# Altium PCB Arduino RGB lamp beads.PcbDoc
Units mm, origin at the board's own origin, x right, y up, seen from the top; angles counter-clockwise.
Board outline 68.58 x 53.34 mm, 2 copper layers (Top Layer, Bottom Layer); 44 components, 39 nets, 165 pads, 66 vias.
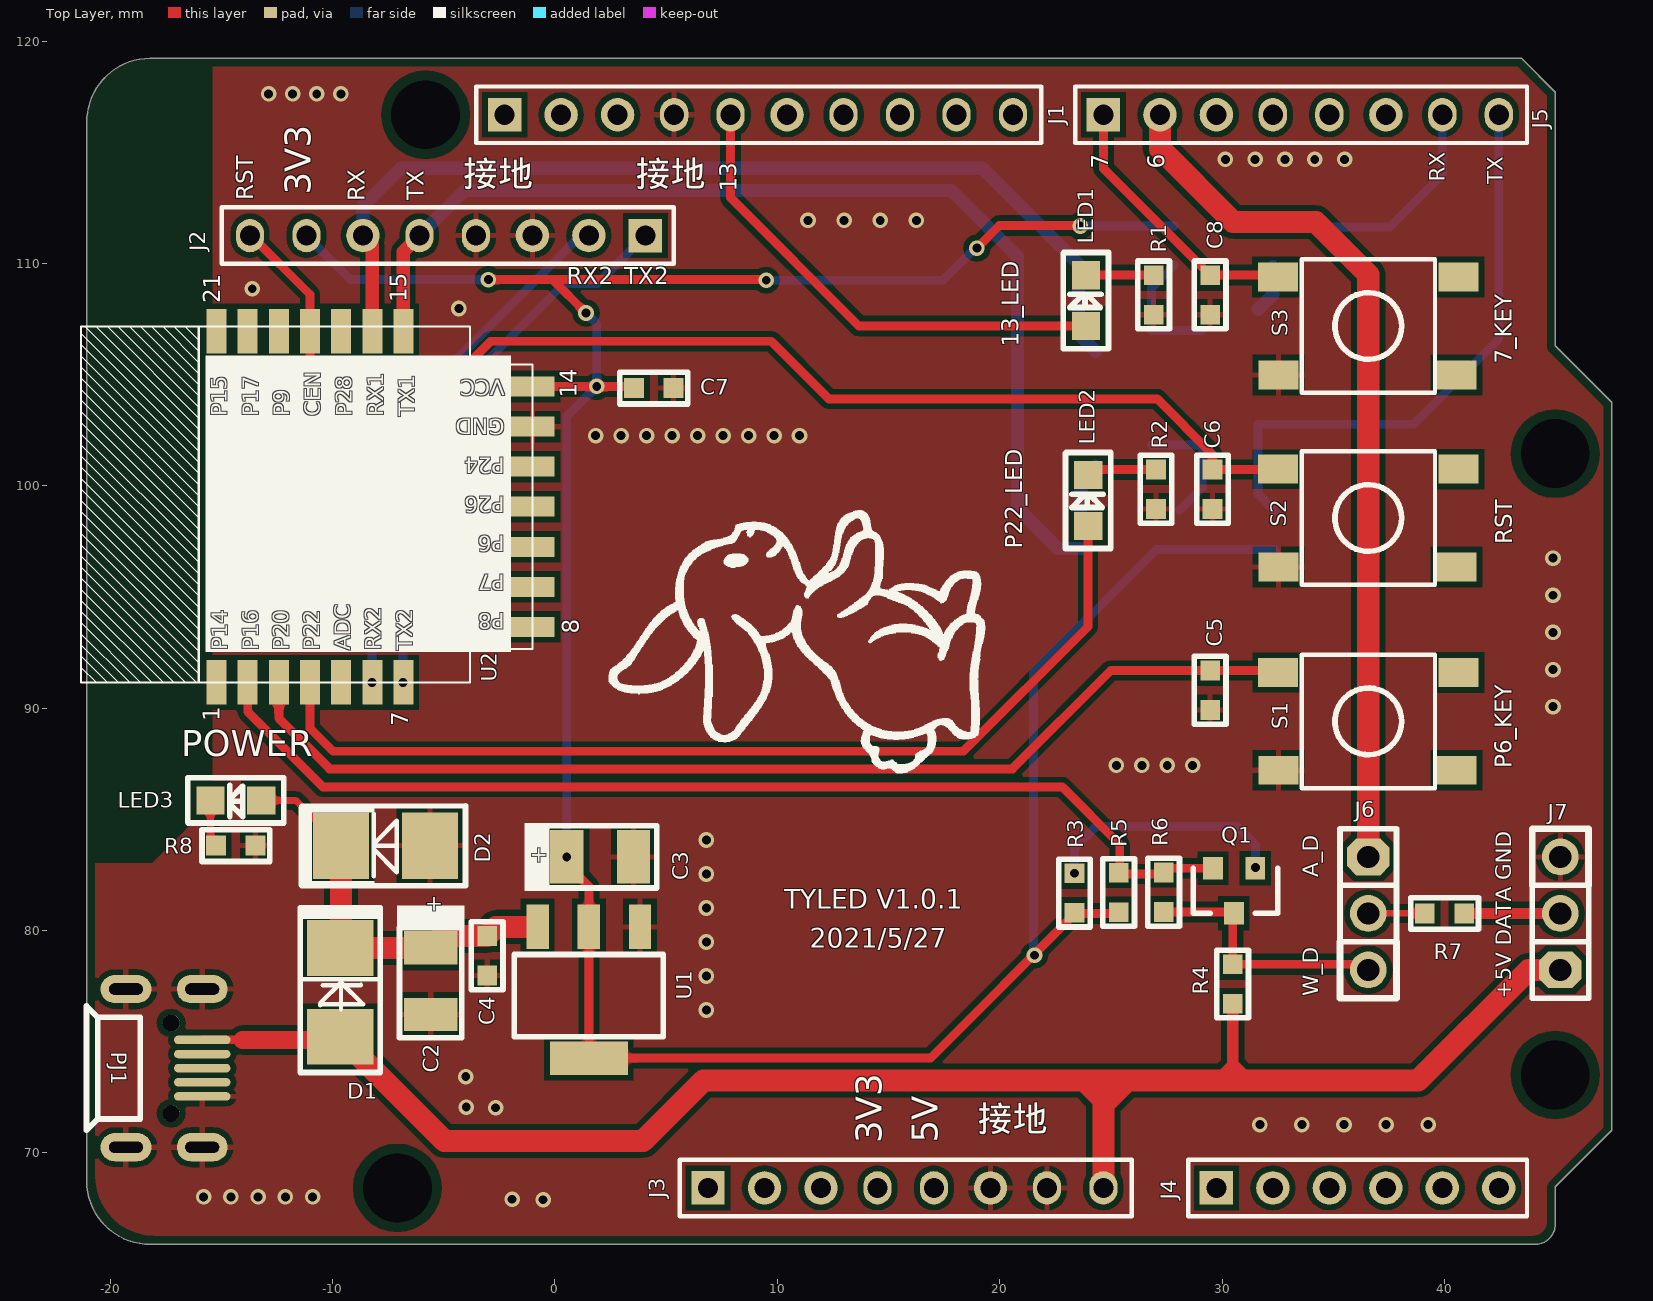
[diagram p0: Top Layer view]
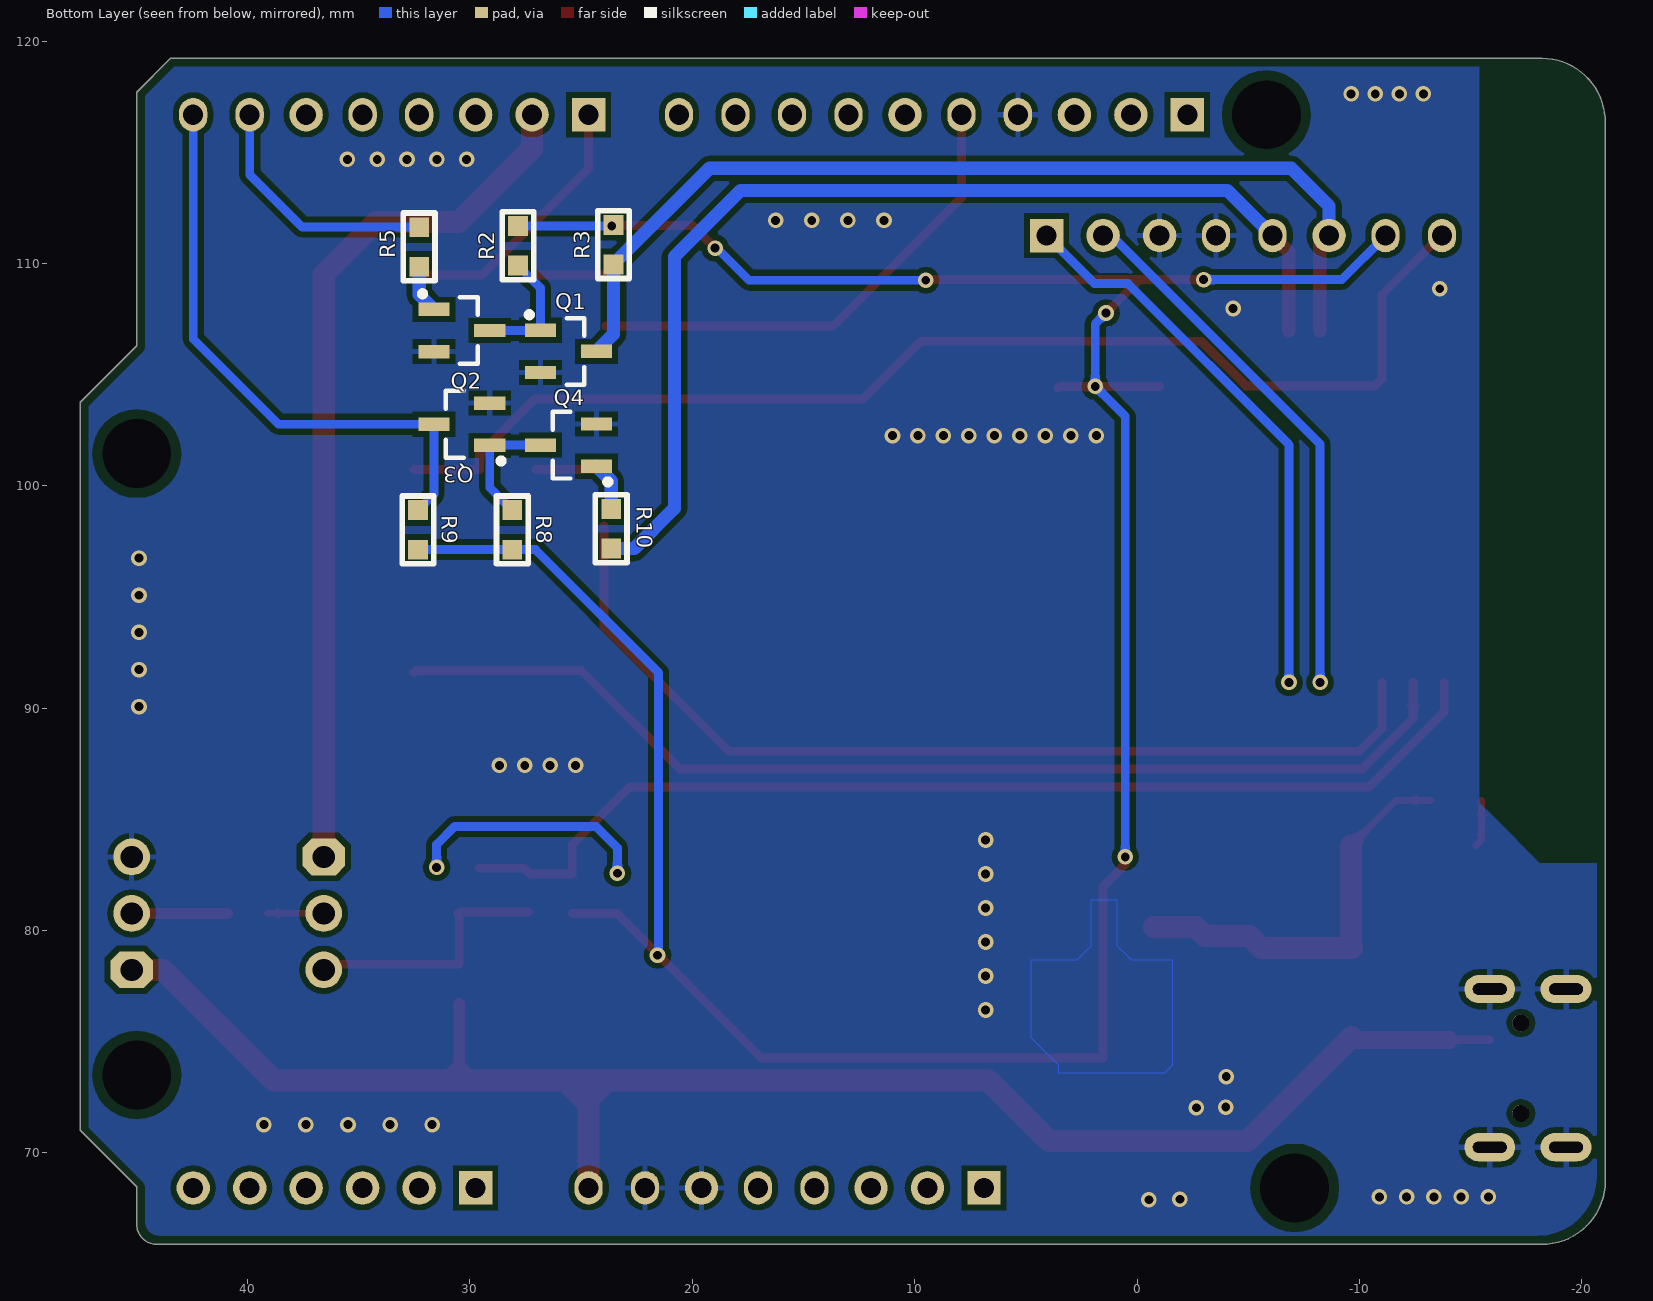
[diagram p1: Bottom Layer view, seen from below]

## Layer stack, top to bottom
Top Solder: solder mask 0.0102, Solder Resist, Dk 3.5
Top Layer: signal copper 0.0356
Dielectric1: dielectric 0.32, FR-4, Dk 4.8
Bottom Layer: signal copper 0.0356
Bottom Solder: solder mask 0.0102, Solder Resist, Dk 3.5

## Board outline
-21.057,68.732 ccw(c-18.199,68.745) -18.186,65.888 44.069,65.888 ccw(c44.082,66.789) 44.983,66.777 44.983,68.478 47.523,71.018 47.523,103.759 44.983,106.299 44.983,117.704 43.459,119.228 -18.212,119.228 ccw(c-18.186,116.357) -21.057,116.332

## Design rules (kind name [scope] priority, off if disabled: settings)
Clearance Clearance_1 [All] p1: gap=0.254 ignorepadtopadclearanceinfootprint=FALSE except(0: Arc-Hole Track-Hole SMDPad-Hole THPad-Hole Via-Hole Fill-Hole Poly-Hole Region-Hole Text-Hole)
Clearance [InNet('GND') vs InNetClass('All Nets')] p2: gap=0.254 ignorepadtopadclearanceinfootprint=FALSE except(0: Arc-Hole Track-Hole SMDPad-Hole THPad-Hole Via-Hole Fill-Hole Poly-Hole Region-Hole Text-Hole)
HoleSize [All] p1: absolutevalues=TRUE maxlimit=3 minlimit=0.025 maxpercent=80.000 minpercent=20.000
HoleToHoleClearance [All] p1: gap=0 allowstackedmicrovias=TRUE
MinimumSolderMaskSliver [All] p1: minsoldermaskwidth=0
PolygonConnect PolygonConnect_5 [InNet('+3.3V') vs IsPad] p1: connectstyle=Direct reliefconductorwidth=0.254 reliefentries=4 polygonreliefangle="90 Angle" airgapwidth=0.254
PolygonConnect PolygonConnect_4 [InNet('+3.3V') vs IsVia] p2: connectstyle=Direct reliefconductorwidth=0.254 reliefentries=4 polygonreliefangle="90 Angle" airgapwidth=0.254
PolygonConnect PolygonConnect_3 [InNet('+5V') vs IsVia] p3: connectstyle=Direct reliefconductorwidth=0.254 reliefentries=4 polygonreliefangle="90 Angle" airgapwidth=0.254
PolygonConnect PolygonConnect_2 [InNet('+5V') vs IsPad] p4: connectstyle=Direct reliefconductorwidth=0.254 reliefentries=4 polygonreliefangle="90 Angle" airgapwidth=0.254
PolygonConnect PolygonConnect_1 [InNet('GND') vs IsVia] p5: connectstyle=Direct reliefconductorwidth=0.254 reliefentries=4 polygonreliefangle="90 Angle" airgapwidth=0.254
PolygonConnect [All] p6: connectstyle=Relief reliefconductorwidth=0.254 reliefentries=4 polygonreliefangle="90 Angle" airgapwidth=0.254
RoutingVias [All] p1: holewidth=0.2 width=1.27 viastyle="Through Hole" minholewidth=0.2 minwidth=0.2 maxholewidth=1.2 maxwidth=1.27
SilkToSilkClearance [All] p1: silktosilkclearance=0
SilkToSolderMaskClearance SilkscreenOverComponentPads [IsPad] p1: minsilkscreentomaskgap=0 clearancetoexposedcopper=TRUE
SolderMaskExpansion [All] p1: expansion=0.102
Width [All] p1: maxlimit=6 minlimit=0.254 preferedwidth=0.254
25 further rules are at their usual default settings.

## Classes and differential pairs
component class Arduino幻彩灯带: C2 C3 C4 C5 C7 D2 J3 J7 J8 LED1 LED2 LED3 PJ1 R1 R4 R7 S1 S2 S3 U2

## Components (designator, comment, footprint, x,y, rotation, side; value= is the part's Value field where it differs from the comment)
C2 "22uF±20%/16V" 钽电容B3528 -5.588,77.724 r270 top
C3 "22uF±20%/16V" 钽电容B3528 2.032,83.312 r0 top
C4 "0.1uF±20%/50V" C0603 -3.048,79.756 r270 top
C5 "0.1uF±20%/16V" C0603 29.464,89.916 r90 top (schematic designator C7)
C6 "0.1uF±20%/16V" C0603 29.566,100.736 r270 top
C7 "0.1uF±20%/16V" C0603 5.334,104.394 r180 top (schematic designator C5)
C8 "0.1uF±20%/16V" C0603 29.464,107.696 r90 top (schematic designator C6)
D1 "SS210" SMA(DO-214AC) -9.652,77.216 r90 top
D2 "SMBJ05CA" SMB(DO-214AA) -7.62,83.82 r180 top
J1 "CON10" HDR1X10Z -2.261,116.688 r0 top
J2 "CON8" HDR1X8Z 4.064,111.252 r180 top
J3 "CON8" HDR1X8Z 6.883,68.428 r0 top (schematic designator J1)
J4 "CON6" HDR1X6Z 29.743,68.428 r0 top (schematic designator J3)
J5 "CON8" HDR1X8Z 24.663,116.688 r0 top (schematic designator J2)
J6 "KF301-3P" "SIP3 - 2.54" 36.576,83.312 r270 top (schematic designator J7)
J7 "KF301-3P" "SIP3 - 2.54" 45.212,78.232 r90 top (schematic designator J8)
LED1 "LED" LED0805_1 23.876,107.188 r90 top (schematic designator LED2)
LED2 "LED" LED0805_1 23.978,98.196 r90 top (schematic designator LED3)
LED3 "LED" LED0805_1 -13.208,85.852 r180 top (schematic designator LED1)
PJ1 "MCR_USB" MICRO_USB-NEW-16.12.12 -17.577,73.812 r90 top
Q1 "S8050" SOT-23-NPN 31.496,82.804 r180 top
Q1 "Comment" SOT23-3M 25.552,106.045 r270 bottom
Q2 "Comment" SOT23-3M 30.352,106.985 r270 bottom
Q3 "Comment" SOT23-3M 30.378,102.768 r90 bottom
Q4 "Comment" SOT23-3M 25.578,101.828 r90 bottom
R1 "1K±5%" R0603 26.924,107.696 r90 top (schematic designator R4)
R2 "1K±5%" R0603 27.838,109.906 r90 bottom
R2 "1K±5%" R0603 27.026,100.736 r270 top (schematic designator R7)
R3 "1K±5%" R0603 23.546,109.957 r90 bottom
R3 "2K±5%" R0603 23.368,80.797 r90 top
R4 "2K±5%" R0603 30.48,76.708 r90 top
R5 "2K±5%" R0603 25.349,80.823 r90 top
R5 "1K±5%" R0603 32.283,111.633 r270 bottom
R6 "NC/0R" R0603 27.374,82.614 r270 top
R7 "1R±5%" R0603 39.116,80.772 r0 top
R8 "1K±5%" R0603 28.092,98.908 r270 bottom
R8 "1R±5%" R0603 -15.24,83.82 r0 top (schematic designator R1)
R9 "1K±5%" R0603 32.334,98.908 r270 bottom
R10 "1K±5%" R0603 23.647,97.18 r90 bottom
S1 "KEY_SW2" KEY4-SMD 36.576,89.408 r0 top (schematic designator S2)
S2 "KEY_SW2" KEY4-SMD 36.576,98.552 r0 top (schematic designator S3)
S3 "KEY_SW2" KEY4-SMD 36.576,107.188 r0 top (schematic designator S1)
U1 "GM1117-3.3ST3T" SOT-223 1.524,77.216 r180 top (schematic designator U2)
U2 "WIFI_BLE_CBU" WIFI_BLE_CBU -1.016,99.06 r90 top

## Footprints (in the part's own frame and the unit in brackets; to place one, negate y for a bottom-side part, rotate by r counter-clockwise, add the part's x,y. Pads: shape width x height; smd on the part's side, far side on the other; paste and mask are expansions set on the pad)
C0603 [mil] "无极性贴片电容"
  rect 35x35 smd: 1(0,0) 2(70,0)
  silkscreen extent -25,-28 95,28, body extent 4,-16 66,15, height 12
HDR1X6Z [mm] "Connector; Header; 5 Position"
  rect 1.5x1.5 hole 0.9: 1(0,0)
  round 1.5 hole 0.9: 2(2.54,0) 3(5.08,0) 4(7.62,0) 5(10.16,0) 6(12.7,0)
  silkscreen extent -1.27,-1.27 13.97,1.27, body extent -1.27,-1.25 13.97,1.25, height 8.65
HDR1X8Z [mm] "Connector; Header; 8 Position"
  rect 1.5x1.5 hole 0.9: 1(0,0)
  round 1.5 hole 0.9: 2(2.54,0) 3(5.08,0) 6(12.7,0)
  oval 1.27x1.5 hole 0.9: 4(7.62,0) 5(10.16,0) 7(15.24,0) 8(17.78,0)
  silkscreen extent -1.27,-1.27 19.05,1.27, body extent -1.27,-1.25 19.05,1.25, height 8.65
HDR1X10Z [mm] "Connector; Header; 10 Position"
  rect 1.5x1.5 hole 0.9: 1(0,0)
  round 1.5 hole 0.9: 2(2.54,0) 3(5.08,0) 6(12.7,0)
  oval 1.27x1.5 hole 0.9: 4(7.62,0) 5(10.16,0) 7(15.24,0) 8(17.78,0) 9(20.32,0) 10(22.86,0)
  silkscreen extent -1.27,-1.27 24.13,1.27, body extent -1.27,-1.25 24.13,1.25, height 8.65
KEY4-SMD [mm]
  rect 1.8x1.3 smd: 1(-4.035,-2.2) 2(-4.065,2.2) 3(4.065,2.2) 4(3.965,-2.2)
  silkscreen extent -3,-3 3,3
LED0805_1 [mil] "绿色0603LED"
  rect 50x50 smd: 1(0,0) 2(90,0)
  silkscreen extent -40,-40 130,40, body extent 6,-25 84,24, height 30
MICRO_USB-NEW-16.12.12 [mil]
  oval 15x100 smd: 1(-50,-67.5) 2(-25,-67.5) 3(0,-67.5) 4(25,-67.5) 5(50,-67.5)
  oval 50x90 hole 20 slot 60 at 90 deg: 6(-140,-67.5) 7(-140,67.5) 8(140,67.5) 9(140,-67.5)
  round 30 hole 30 unplated: ""(-80,-12.5) ""(80,-12.5)
  silkscreen extent -110,42 110,138, body extent -145,-79 146,158, height 93
R0603 [mil] "1/10W贴片电阻"
  rect 35x35 smd: 1(0,0) 2(70,0)
  silkscreen extent -25,-28 95,28, body extent 2,-16 65,16, height 18
"SIP3 - 2.54" [mil] "接插件，3P"
  oct 65x75 hole 39.37: 1(0,0)
  round 65 hole 39.37: 2(100,0) 3(200,0)
  silkscreen extent -50,-50 250,50
SMA(DO-214AC) [mm]
  rect 2.5x3 smd: 1(-2,0) 2(2,0)
  silkscreen extent -3.6,-1.84 3.94,1.83, body extent -2.21,-1.38 2.46,1.27, height 2.35
SMB(DO-214AA) [mm] "4.7*3.9*2.2mm(长宽高，不包括引脚）"
  rect 2.5x3 smd: 1(-2,0) 2(2,0)
  silkscreen extent -3.6,-1.8 3.91,1.82, body extent -2.28,-1.33 2.39,1.32, height 2.35
SOT23-3M [mm] "3x1.3x1mm(长宽高)"
  rect 0.6x1.4 smd: 1(-0.95,-1.27) 2(0.95,-1.27) 3(0,1.244)
  silkscreen extent -1.78,-1.9 1.5,0.7, body extent -1.5,-1.2 1.5,1.2, height 1.05
SOT-23-NPN [mil]
  rect 35x40 smd: 1(75,0) 2(0,0) 3(38,80)
  silkscreen extent -40,0 110,80, body extent -17,-17 97,80, height 39
SOT-223 [mm]
  rect 1x2 smd: 1(-2.3,-2.95) 2(0,-2.95) 3(2.3,-2.95)
  rect 3.5x1.5 smd: 2(0,2.95)
  silkscreen extent -3.35,-1.71 3.35,1.99, body extent -3.29,-3.55 3.21,3.41, height 1.65
WIFI_BLE_CBU [mm]
  rect 2x0.9 smd: 1(-7.9,14.2) 2(-7.9,12.8) 3(-7.9,11.4) 4(-7.9,10) 5(-7.9,8.6) 6(-7.9,7.2) 7(-7.9,5.8) 15(7.9,5.8) 16(7.9,7.2) 17(7.9,8.6) 18(7.9,10) 19(7.9,11.4) 20(7.9,12.8) 21(7.9,14.2)
  rect 0.9x2 smd: 8(-5.4,0) 9(-3.6,0) 10(-1.8,0) 11(0,0) 12(1.8,0) 13(3.6,0) 14(5.4,0)
  silkscreen extent -7.9,0 8.14,20.33
钽电容B3528 [mm] "长3.5mm，宽2.8mm，厚1.9mm"
  rect 1.5x2.4 smd: 1(-1.5,0) 2(1.5,0)
  silkscreen extent -3.4,-1.52 2.54,1.52

## Part data
C2 C3: library part "CAPACITOR POL", "Capacitor"
C4 C5 C6 C7 C8: library part CAP, "Capacitor"
D1: library part Diode1, "Diode"
D2: library part "D Schottky", "Schottky Diode", MFR=Toshiba
J1 J2 J3 J4 J5: "Connector"
J6 J7: library part CON3, "Connector"
Q1: library part NPN, "NPN Transistor"
R1 R2 R2 R3 R3 R4 R5 R5 R6 R7 R8 R8 R9 R10: library part RES5
U1: library part GM1117
U2: "Module"

## Free pads (board coordinates)
  round 1.524 hole 3.1: 8(-7.087,68.428) 8(-5.817,116.688) 8(44.983,73.508) 8(44.983,101.448)

## Via types
v1: diameter 0.7, hole 0.4, Top Layer to Bottom Layer, tented both sides, 66 vias

## Nets (pads, with @x,y where several pads share a name; then routed paths per layer and width w, separated by ;. In a path a pad name is that pad's centre, name@x,y a point inside that pad or via, vN(x,y) a via of type N, cw(c..) or ccw(c..) an arc to the next point about the centre after c; other vN are vias at no path point)
+3.3V: C3.1 C7.2 J2.7 R2.2@27.838,111.684 R3.1@23.368,80.797 R3.2@23.546,111.735 R5.1@25.349,80.823 R8.2@28.092,97.13 R9.2 U1.2 U2.14 | length 134.6
  Top Layer w0.4: v1(-2.997,109.271) -0.102,109.271 ; U2.14 3.49,104.46 C7.2 ; v1(0.532,83.312) 0.532,82.983 1.524,81.991 1.524,80.166 1.524,74.266 16.887,74.266 23.393,80.772 R5.1@25.4,80.772 ; v1(1.397,107.772) -0.102,109.271 ; v1@9.449,109.271 -0.102,109.271 ; v1(18.974,110.693) 19.99,111.709 v1@23.571,111.709
  Bottom Layer w0.4: J2.7 -9.195,109.271 v1(-2.997,109.271) ; v1(0.532,83.312) 0.532,103.123 v1(1.88,104.47) ; v1(1.397,107.772) 1.88,107.29 v1@1.88,104.521 ; v1(9.5,109.245) 17.45,109.245 v1@18.923,110.719 ; v1@21.514,78.892 21.514,91.592 27.051,97.13 28.092,97.13 R9.2 R9.2@32.385,97.079 ; R3.2@23.546,111.735 23.597,111.684 v1(23.622,111.684) R2.2@27.838,111.684
  other v1: 21.565,78.892
+5V: D1.1 J3.8 J7.1 PJ1.5 R4.1 | length 79.4
  Top Layer w0.38: PJ1.5 -14.046,75.082
  Top Layer w0.5: 29.769,73.254 30.48,73.965 ; 30.328,73.254 30.48,73.406 30.48,73.965 ; R4.1 30.48,74.016 ; 31.242,73.254 30.48,74.016 ; 30.48,73.965 30.48,74.016
  Top Layer w0.8: -14.046,75.082 -9.786,75.082 D1.1
  Top Layer w1: D1.1 -4.972,70.536 3.962,70.536 6.68,73.254 23.8,73.254 ; J3.8 24.663,72.39 ; J7.1 43.79,78.232 38.811,73.254 31.242,73.254 30.328,73.254 29.769,73.254 25.73,73.254 ; 23.8,73.254 24.943,73.254 ; 23.8,73.254 24.663,72.39 ; 24.663,72.39 24.663,72.974 24.943,73.254 ; 24.663,72.39 24.867,72.39 25.73,73.254 ; 24.943,73.254 25.73,73.254
+5VF: C2.1 C4.1 D1.2 D2.2 LED3.1 U1.3 | length 18.3
  Top Layer w0.3: LED3.1 -11.652,85.852 D2.2
  Top Layer w1: D2.2 -9.62,79.248 D1.2 -5.596,79.216 C2.1 -5.056,79.756 C4.1 -2.638,80.166 U1.3
ADC: U2.5
GND: C2.2 C3.2 C4.2 C5.1 C6.2 C7.1 C8.1 D2.1 J1.4 J2.3 J2.4 J3.6 J3.7 J7.3 PJ1.1 PJ1.6 PJ1.7 PJ1.8 PJ1.9 Q1.2@26.822,105.095 Q2.2 Q3.2 Q4.2 R1.1 R2.2@27.026,98.958 R8.2@-13.462,83.82 S1.1 S2.1 S3.1 U1.1 U2.13
  other v1: -0.533,67.894 -1.93,67.92 -15.799,68.021 -14.573,68.021 -13.348,68.021 -12.122,68.021 -10.897,68.021 31.699,71.272 33.591,71.272 35.484,71.272 37.376,71.272 39.268,71.272 -2.667,72.034 -3.988,72.06 -4.013,73.431 6.807,76.429 6.807,77.958 6.807,79.487 6.807,81.016 6.807,82.545 6.807,84.074 25.248,87.427 26.391,87.427 27.534,87.427 28.677,87.427 44.882,90.068 44.882,91.738 44.882,93.408 44.882,95.079 44.882,96.749 1.829,102.26 2.975,102.26 4.121,102.26 5.267,102.26 6.413,102.26 7.56,102.26 8.706,102.26 9.852,102.26 10.998,102.26 -4.318,107.975 -13.614,108.864 11.379,111.938 13.005,111.938 14.63,111.938 16.256,111.938 30.15,114.681 31.49,114.681 32.829,114.681 34.169,114.681 35.509,114.681 -12.878,117.627 -11.794,117.627 -10.71,117.627 -9.627,117.627
NetC8_2: C8.2 J5.1 S3.2 | length 12.3
  Top Layer w0.4: J5.1 24.663,114.275 C8.2 32.425,109.474 S3.2
NetJ1_5: J1.5 LED1.1 | length 22.1
  Top Layer w0.4: J1.5 7.899,112.954 13.665,107.188 LED1.1
NetJ7_2: J7.2 R7.2 | length 4.3
  Top Layer w0.5: R7.2 J7.2
NetLED1_2: LED1.2 R1.2 | length 3
  Top Layer w0.4: LED1.2 R1.2
NetLED2_2: LED2.2 R2.1@27.026,100.736 | length 3.2
  Top Layer w0.4: LED2.2 24.232,100.736 R2.1@27.026,100.736
NetLED3_2: LED3.2 R8.1@-15.24,83.82 | length 2.1
  Top Layer w0.3: LED3.2 -15.494,84.074 R8.1@-15.24,83.82
NetQ1_2: Q1.2@31.496,82.804 R3.2@23.368,82.575 | length 11.1
  Top Layer w0.4: Q1.2@31.496,82.804 v1(31.496,82.842)
  Bottom Layer w0.4: v1(23.368,82.575) 23.368,83.718 24.333,84.684 30.683,84.684 31.496,83.871 v1(31.496,82.842)
OUT_DATA: Q1.1@29.591,82.804 R5.2@25.349,82.601 R6.1 U2.2 | length 48.6
  Top Layer w0.4: U2.2 -13.816,89.838 -10.439,86.462 22.809,86.462 25.4,83.871 25.4,82.55 27.309,82.55 R6.1 27.563,82.804 Q1.1@29.591,82.804
OUT_RGB: J6.2 R7.1 | length 2.5
  Top Layer w0.3: J6.2 R7.1
OUT_RGB_ARD: J5.2 J6.1 | length 39.4
  Top Layer w1: J5.2 27.203,115.164 30.505,111.862 34.214,111.862 36.576,109.499 J6.1
OUT_RGB_CBU: J6.3 Q1.3@30.531,80.772 R4.2 R6.2 | length 11.7
  Top Layer w0.4: R6.2 30.466,80.836 30.531,80.772 30.48,80.721 R4.2 36.322,78.486 J6.3
P6: U2.10
P6_KEY1: C5.2 S1.2 U2.3 | length 49.3
  Top Layer w0.4: U2.3 -12.416,89.556 -10.135,87.274 20.574,87.274 24.994,91.694 C5.2 32.425,91.694 S1.2
P7: U2.9
P8: U2.8
P9: U2.19
P14: U2.1
P15: U2.21
P17: U2.20
P22: LED2.1 U2.4 | length 44.3
  Top Layer w0.4: U2.4 -11.016,89.096 -9.982,88.062 18.364,88.062 23.978,93.675 LED2.1
P24: U2.12
P26: U2.11
P28: U2.17
R2_1: Q1.1@26.822,106.995 Q2.3 R2.1@27.838,109.906 | length 5.6
  Bottom Layer w0.4: R2.1@27.838,109.906 26.822,108.89 26.822,106.995 26.832,106.985 Q2.3
R5_1: Q2.1 R5.2@32.283,109.855 | length 2.2
  Bottom Layer w0.6: Q2.1 32.283,108.596 R5.2@32.283,109.855
R8_1: Q3.1 Q4.3 R8.1@28.092,98.908 | length 5.6
  Bottom Layer w0.4: Q4.3 29.098,101.829 Q3.1 29.108,99.924 R8.1@28.092,98.908
R10_1: Q4.1 R10.2 | length 2.2
  Bottom Layer w0.6: R10.2 23.647,100.217 Q4.1
RST: C6.1 J2.8 S2.2 U2.18 | length 54.9
  Top Layer w0.4: J2.8 -13.665,111.252 -11.016,108.603 U2.18 -11.016,104.818 -10.693,104.496 -4.902,104.496 -2.896,106.502 9.728,106.502 12.319,103.911 27.076,103.911 29.566,101.422 C6.1 32.495,100.736 S2.2
RX2: J2.2 U2.6 | length 24.4
  Top Layer w0.4: v1(-8.23,91.16) U2.6
  Bottom Layer w0.4: v1(-8.23,91.16) -8.23,101.879 1.143,111.252 J2.2
TX2: J2.1 U2.7 | length 25.5
  Top Layer w0.4: v1(-6.833,91.16) U2.7 U2.7@-6.807,91.151
  Bottom Layer w0.4: v1(-6.833,91.16) -6.833,101.836 -6.807,101.862 -6.816,101.871 0.406,109.093 1.905,109.093 J2.1
WRX: J5.7 R5.1@32.283,111.633 | length 11.3
  Bottom Layer w0.4: R5.1@32.283,111.633 37.541,111.633 39.903,113.995 J5.7
WRX-3.3V: J2.6 Q1.3@24.308,106.045 R3.1@23.546,109.957 U2.16 | length 44.7
  Top Layer w0.6: J2.6 -8.216,110.832 U2.16
  Bottom Layer w0.6: J2.6 -8.636,112.573 -6.934,114.275 19.228,114.275 23.546,109.957 23.546,106.807 Q1.3@24.308,106.045
WTX: J5.8 Q3.3 R9.1 | length 26.7
  Bottom Layer w0.4: R9.1@32.385,98.857 R9.1 31.622,99.619 Q3.3 38.608,102.769 42.443,106.604 J5.8
WTX-3.3V: J2.5 R10.1 U2.15 | length 48.5
  Top Layer w0.6: U2.15 -6.816,110.532 J2.5
  Bottom Layer w0.6: J2.5 -4.064,113.284 17.814,113.284 20.803,110.295 20.803,98.984 22.606,97.18 R10.1
pads on no net: J1.1 J1.2 J1.3 J1.6 J1.7 J1.8 J1.9 J1.10 J3.1 J3.2 J3.3 J3.4 J3.5 J4.1 J4.2 J4.3 J4.4 J4.5 J4.6 J5.3 J5.4 J5.5 J5.6 PJ1. PJ1.2 PJ1.3 PJ1.4 S1.3 S1.4 S2.3 S2.4 S3.3 S3.4

## Polygon pours and split planes (outlines as drawn)
GND on Top Layer "Top Layer-No Net" (solid, remove dead copper, pour order 1005): -21.057,65.888 -21.057,83.033 -18.085,83.033 -18.085,83.058 -16.053,85.09 -15.392,85.75 -15.392,119.228 46.523,119.228 47.523,118.228 47.549,118.202 47.549,65.811
+3.3V on Top Layer "Top Layer-No Net" (solid, remove dead copper, pour order 1006): 0.965,81.356 0.965,79.299 0.533,78.867 0.33,78.664 -1.524,78.664 -1.524,73.914 -1.168,73.558 3.581,73.558 3.581,73.914 4.597,74.93 4.826,75.159 4.826,78.664 2.743,78.664 2.235,79.172 2.134,79.273 2.134,81.356
GND on Bottom Layer "Top Layer-No Net" (solid, remove dead copper, pour order 1007): -21.057,65.888 -21.057,83.033 -18.085,83.033 -18.085,83.058 -16.053,85.09 -15.392,85.75 -15.392,119.228 46.523,119.228 47.523,118.228 47.549,118.202 47.549,65.811
+3.3V on Bottom Layer "Top Layer-No Net" (solid, remove dead copper, pour order 1008): 0.902,81.382 0.902,79.324 0.47,78.892 0.267,78.689 -1.587,78.689 -1.587,73.939 -1.232,73.584 3.518,73.584 3.518,73.939 4.534,74.955 4.763,75.184 4.763,78.689 2.68,78.689 2.172,79.197 2.07,79.299 2.07,81.382

## Silkscreen, mask and mechanical layers (free items; w line width, h text height)
Top Overlay:
  drawing of 2002 lines, arcs and shapes, not listed
  text "7" at 25.121,114.249 h1.3 r90
  text "6" at 27.661,114.249 h1.3 r90
  text "RX" at 40.259,113.665 h1.2 r90
  text "TX" at 42.875,113.563 h1.2 r90
  text "13" at 8.433,113.233 h1.3 r90
  text "3V3" at -10.592,113.081 h2 r90
  text "接地" at -4.14,113.081 h2
  text "接地" at 3.607,113.081 h2
  text "RST" at -13.31,112.852 h1.3 r90
  text "TX" at -5.664,112.852 h1.3 r90
  text "RX" at -8.306,112.801 h1.3 r90
  text "RX2" at 0.533,108.814 h1.3
  text "TX2" at 3.124,108.814 h1.3
  text "13_LED" at 21.107,106.248 h1.3 r90
  text "7_KEY" at 43.282,105.486 h1.3 r90
  text "RST" at 43.307,97.384 h1.3 r90
  text "P22_LED" at 21.26,97.18 h1.3 r90
  text "POWER" at -16.815,87.452 h2
  text "P6_KEY" at 43.282,87.3 h1.3 r90
  text "A_D" at 34.569,82.398 h1.2 r90
  text "TYLED V1.0.1" at 10.312,80.696 h1.5
  text "2021/5/27" at 11.455,78.943 h1.5
  text "W_D" at 34.569,77.038 h1.2 r90
  text "+5V DATA GND" at 43.256,76.937 h1.2 r90
  text "接地" at 18.999,70.587 h2
  text "5V" at 17.602,70.46 h2 r90
  text "3V3" at 15.088,70.434 h2 r90
Mechanical 1:
  the board outline again, w0.254

## Text inside footprints (layer, text, board x,y; h text height)
C2: Top Overlay "+" at -5.842,80.899 h0.7
C3: Top Overlay "+" at -0.406,82.982 h0.7 r90
U2: Top Overlay "15" at -6.426,108.255 h1.3 r90; Top Overlay "14" at 1.219,103.962 h1.3 r90; Top Overlay "8" at 1.346,93.345 h1.3 r90; Top Overlay "7" at -6.35,89.179 h1.3 r90; Top Overlay "P8" at -2.261,94.259 h0.7 r180; Top Overlay "P7" at -2.261,96.012 h0.7 r180; Top Overlay "P6" at -2.261,97.753 h0.7 r180; Top Overlay "P26" at -2.261,99.501 h0.7 r180; Top Overlay "P24" at -2.261,101.254 h0.7 r180; Top Overlay "1" at -14.834,89.408 h1.3 r90; Top Overlay "21" at -14.808,108.204 h1.3 r90; Top Overlay "P14" at -14.736,92.608 h0.7 r90; Top Overlay "P16" at -13.338,92.608 h0.7 r90; Top Overlay "P20" at -11.971,92.608 h0.7 r90; Top Overlay "P22" at -10.589,92.608 h0.7 r90; Top Overlay "ADC" at -9.207,92.608 h0.7 r90; Top Overlay "RX2" at -7.825,92.608 h0.7 r90; Top Overlay "TX2" at -6.426,92.608 h0.7 r90; Top Overlay "VCC" at -2.262,104.775 h0.7 r180; Top Overlay "GND" at -2.261,103.022 h0.7 r180; Top Overlay "TX1" at -6.325,103.126 h0.7 r90; Top Overlay "RX1" at -7.727,103.126 h0.7 r90; Top Overlay "P28" at -9.146,103.126 h0.7 r90; Top Overlay "CEN" at -10.549,103.126 h0.7 r90; Top Overlay "P9" at -11.952,103.126 h0.7 r90; Top Overlay "P17" at -13.339,103.126 h0.7 r90; Top Overlay "P15" at -14.757,103.126 h0.7 r90